# Altium PCB PCIe_to_M2E.PcbDoc (part 1 of 6) (continued)
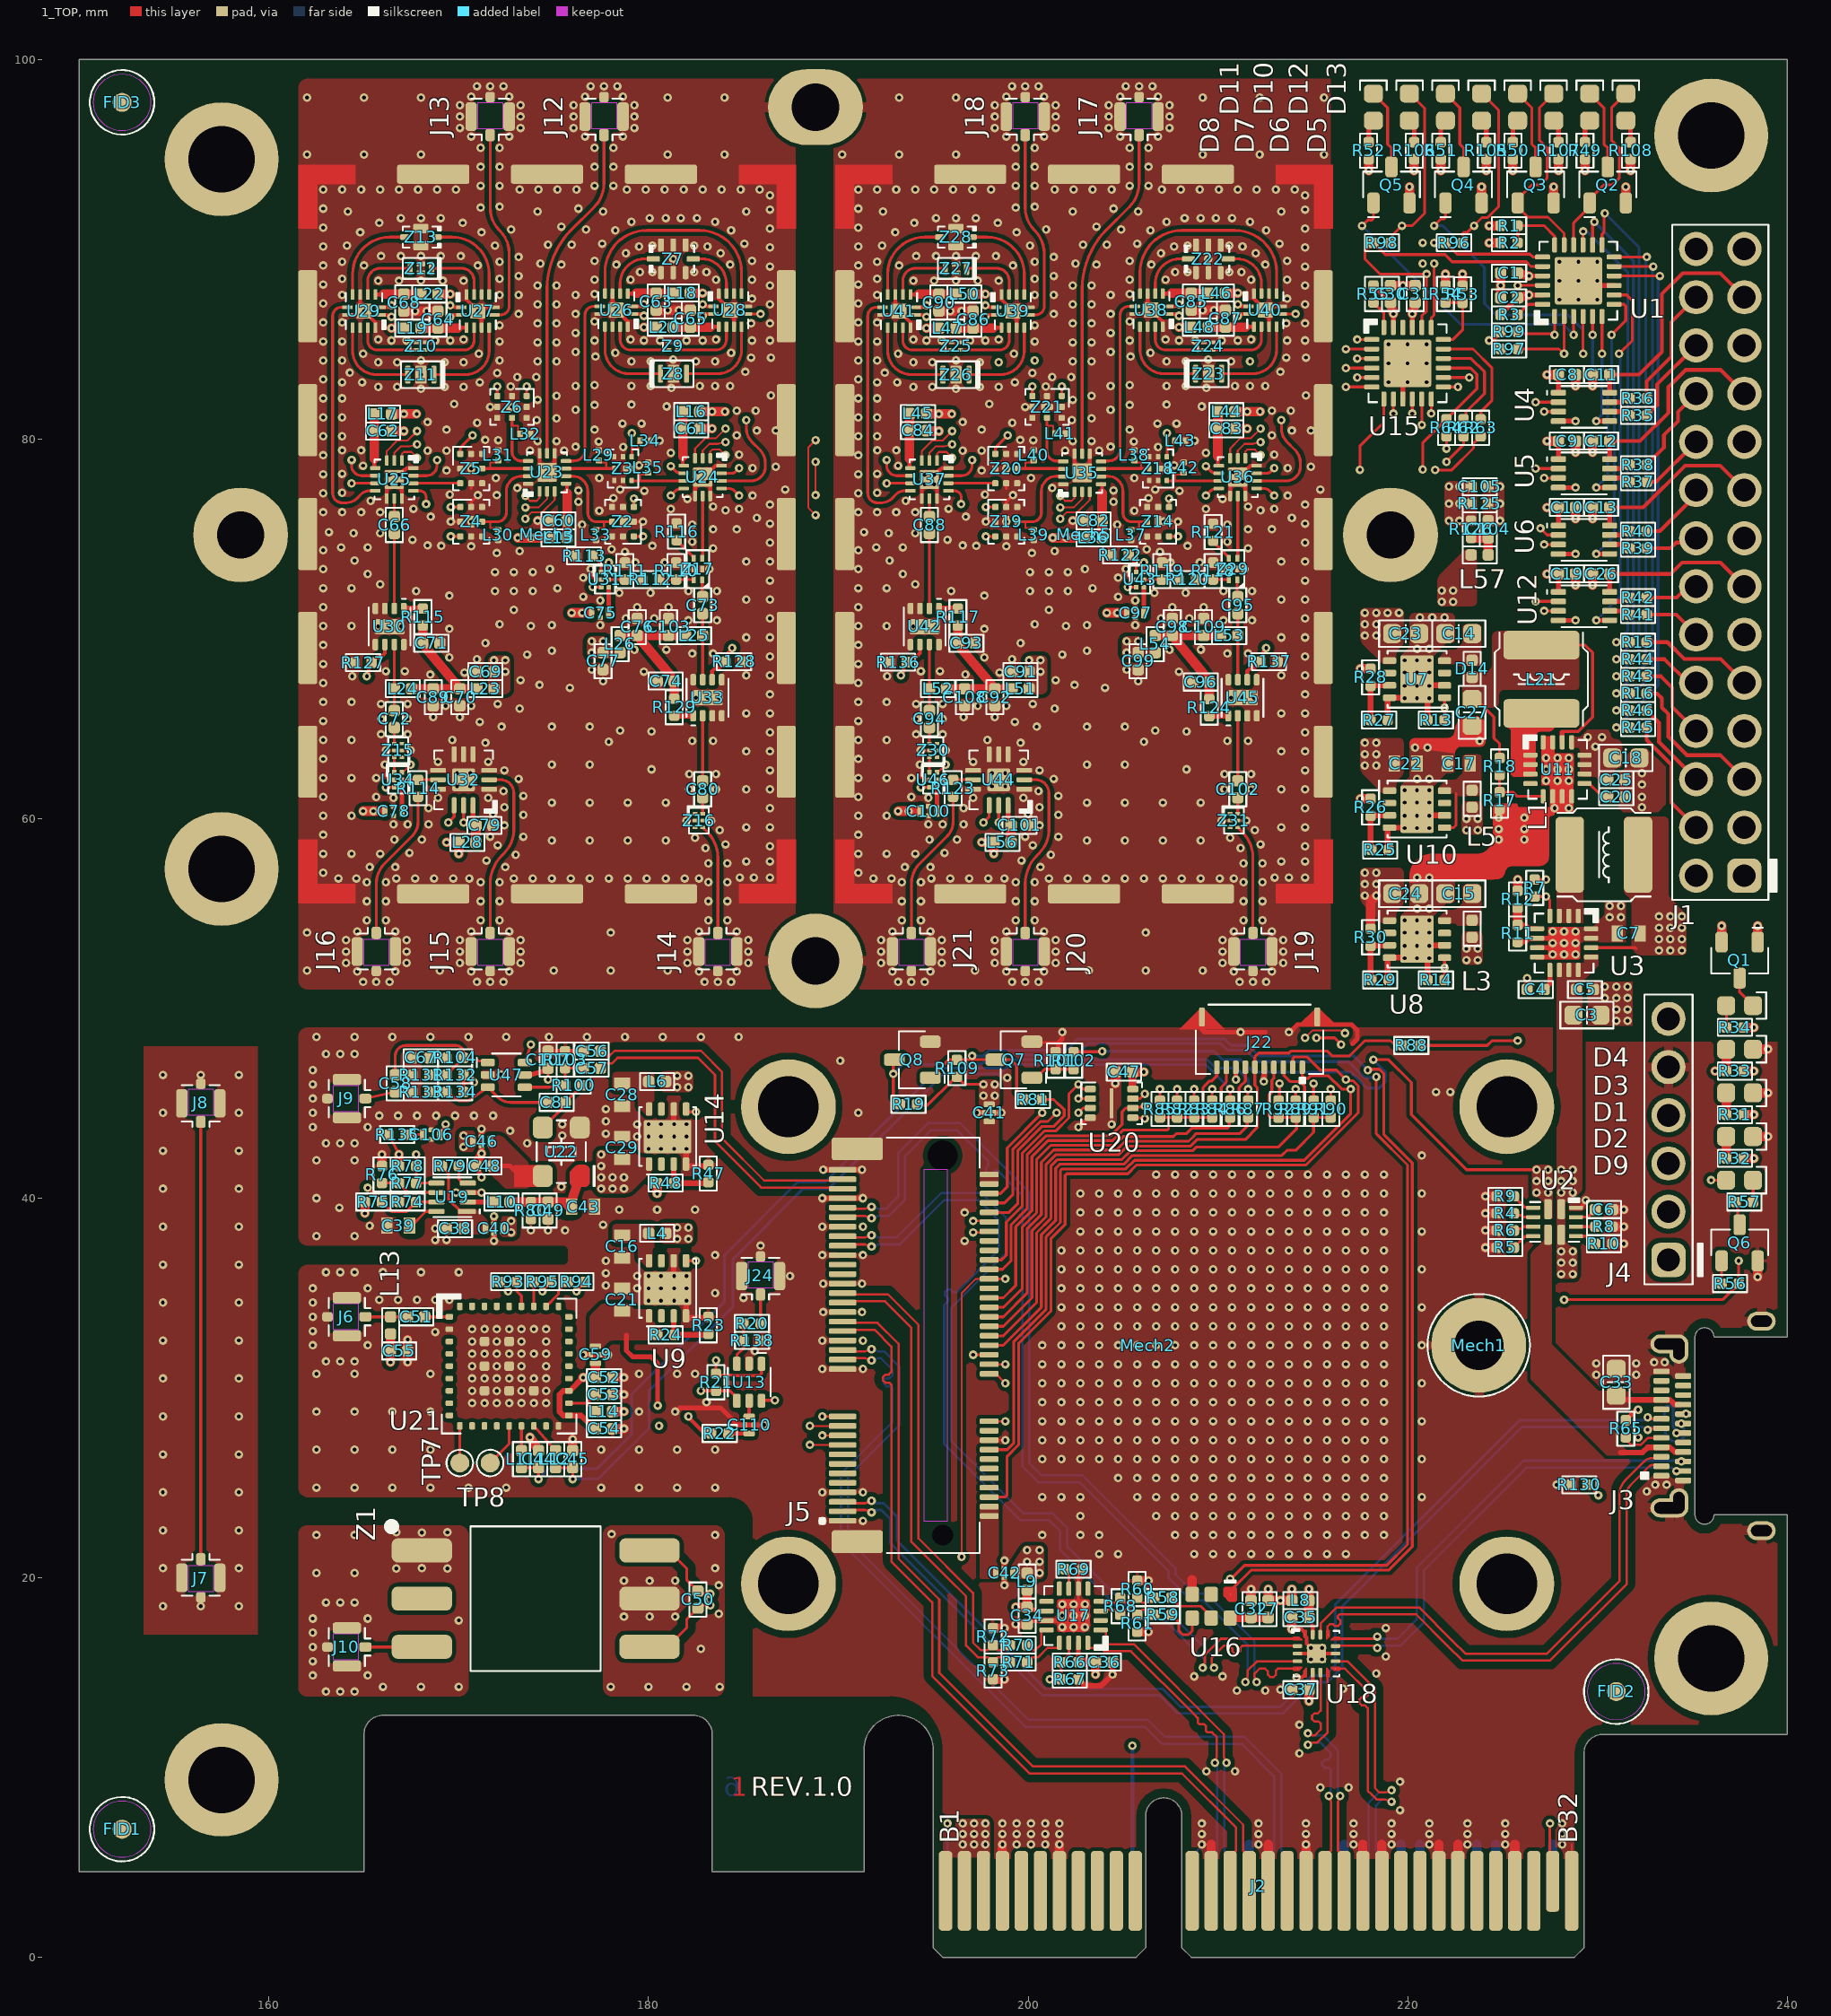
[diagram p0: 1_TOP view]
## Components (designator, comment, footprint, x,y, rotation, side; value= is the part's Value field where it differs from the comment) (continued)
C64 "GRM155R71E104KE14D" CAPC100X50X55L25N 168.9,86.3 r90 top value=0.1u
C65 "GRM155R71E104KE14D" CAPC100X50X55L25N 182.2,86.35 r90 top value=0.1u
C66 "Cap-0402-NP0-50V-100p-20%" CAPC100X50X55L25N 166.6,75.475 r270 top value=100p
C67 "Cap-0402-NP0-50V-1000p-20%" CAPC100X50X55L25N 168,47.4 r180 top value=1000p
C68 "GRM155R71E104KE14D" CAPC100X50X55L25N 167.1,87.2 r270 top value=0.1u
C69 "GRM155R71E104KE14D" CAPC100X50X55L25N 171.4,67.75 r180 top value=0.1u
C70 "GRM155R71E104KE14D" CAPC100X50X55L25N 170.05,66.4 r270 top value=0.1u
C71 "Cap-0402-NP0-50V-100p-20%" CAPC100X50X55L25N 168.55,69.25 r180 top value=100p
C72 "Cap-0402-NP0-50V-100p-20%" CAPC100X50X55L25N 166.6,65.25 r270 top value=100p
C73 "Cap-0402-NP0-50V-100p-20%" CAPC100X50X55L25N 182.85,71.25 r270 top value=100p
C74 "Cap-0402-NP0-50V-100p-20%" CAPC100X50X55L25N 180.9,67.25 r0 top value=100p
C75 "NFM15PC146R0G3D" CAPCEMI100X50X50L20N 177.45,70.85 r0 top value=14u/4V
C76 "GRM155R71E104KE14D" CAPC100X50X55L25N 179.4,70.1 r90 top value=0.1u
C77 "GRM155R71E104KE14D" CAPC100X50X55L25N 177.6,68.3 r270 top value=0.1u
C78 "NFM15PC146R0G3D" CAPCEMI100X50X50L20N 166.55,60.4 r0 top value=14u/4V
C79 "GRM155R71E104KE14D" CAPC100X50X55L25N 171.35,59.65 r0 top value=0.1u
C80 "Cap-0402-NP0-50V-100p-20%" CAPC100X50X55L25N 182.85,61.55 r270 top value=100p
C81 "Cap-0402-NP0-50V-1000p-20%" CAPC100X50X55L25N 175.15,45.05 r0 top value=1000p
C82 "GRM155R71E104KE14D" CAPC100X50X55L25N 203.45,75.7 r180 top value=0.1u
C83 "GRM155R71E104KE14D" CAPC100X50X55L25N 210.45,80.55 r0 top value=0.1u
C84 "GRM155R71E104KE14D" CAPC100X50X55L25N 194.2,80.45 r0 top value=0.1u
C85 "GRM155R71E104KE14D" CAPC100X50X55L25N 208.6,87.25 r270 top value=0.1u
C86 "GRM155R71E104KE14D" CAPC100X50X55L25N 197.1,86.3 r90 top value=0.1u
C87 "GRM155R71E104KE14D" CAPC100X50X55L25N 210.4,86.35 r90 top value=0.1u
C88 "Cap-0402-NP0-50V-100p-20%" CAPC100X50X55L25N 194.8,75.475 r270 top value=100p
C89 "Cap-0402-NP0-50V-100p-20%" CAPC100X50X55L25N 168.65,66.4 r90 top value=100p
C90 "GRM155R71E104KE14D" CAPC100X50X55L25N 195.3,87.2 r270 top value=0.1u
C91 "GRM155R71E104KE14D" CAPC100X50X55L25N 199.6,67.75 r180 top value=0.1u
C92 "GRM155R71E104KE14D" CAPC100X50X55L25N 198.25,66.4 r270 top value=0.1u
C93 "Cap-0402-NP0-50V-100p-20%" CAPC100X50X55L25N 196.75,69.25 r180 top value=100p
C94 "Cap-0402-NP0-50V-100p-20%" CAPC100X50X55L25N 194.8,65.25 r270 top value=100p
C95 "Cap-0402-NP0-50V-100p-20%" CAPC100X50X55L25N 211.05,71.25 r270 top value=100p
C96 "Cap-0402-NP0-50V-100p-20%" CAPC100X50X55L25N 209.1,67.2 r0 top value=100p
C97 "NFM15PC146R0G3D" CAPCEMI100X50X50L20N 205.65,70.85 r0 top value=14u/4V
C98 "GRM155R71E104KE14D" CAPC100X50X55L25N 207.6,70.1 r90 top value=0.1u
C99 "GRM155R71E104KE14D" CAPC100X50X55L25N 205.8,68.3 r270 top value=0.1u
C100 "NFM15PC146R0G3D" CAPCEMI100X50X50L20N 194.75,60.4 r0 top value=14u/4V
C101 "GRM155R71E104KE14D" CAPC100X50X55L25N 199.55,59.65 r0 top value=0.1u
C102 "Cap-0402-NP0-50V-100p-20%" CAPC100X50X55L25N 211.05,61.55 r270 top value=100p
C103 "Cap-0402-NP0-50V-100p-20%" CAPC100X50X55L25N 181.05,70.1 r270 top value=100p
C104 "GRM155R71E104KE14D" CAPC100X50X55L25N 224.25,75.25 r90 top value=0.1u
C105 "GRM155R71E104KE14D" CAPC100X50X55L25N 223.8,77.5 r0 top value=0.1u
C106 "NFM15PC146R0G3D" CAPCEMI100X50X50L20N 168.55,43.35 r180 top value=14u/4V
C107 "Cap-0402-NP0-50V-1000p-20%" CAPC100X50X55L25N 174.7,47.3 r270 top value=1000p
C108 "Cap-0402-NP0-50V-100p-20%" CAPC100X50X55L25N 196.65,66.4 r90 top value=100p
C109 "Cap-0402-NP0-50V-100p-20%" CAPC100X50X55L25N 209.25,70.1 r270 top value=100p
C110 "NFM15PC146R0G3D" CAPCEMI100X50X50L20N 185.3,28.05 r90 top value=14u/4V
D1 "LTST-C190KGKT" LEDC160X80X80L40N-Green 237.5,45.55 r180 top value=Green
D2 "LTST-C190KGKT" LEDC160X80X80L40N-Green 237.5,43.25 r180 top value=Green
D3 "LTST-C190KGKT" LEDC160X80X80L40N-Green 237.5,47.85 r180 top value=Green
D4 "LTST-C190KGKT" LEDC160X80X80L40N-Green 237.5,50.15 r180 top value=Green
D5 "LTST-C190KGKT" LEDC160X80X80L40N-Green 229.6,97.5 r270 top value=Green
D6 "LTST-C190KGKT" LEDC160X80X80L40N-Green 225.8,97.5 r270 top value=Green
D7 "LTST-C190KGKT" LEDC160X80X80L40N-Green 222,97.5 r270 top value=Green
D8 "LTST-C190KGKT" LEDC160X80X80L40N-Green 218.2,97.5 r270 top value=Green
D9 "LTST-C190KGKT" LEDC160X80X80L40N-Green 237.5,40.95 r180 top value=Green
D10 "LTST-C190KGKT" LEDC160X80X80L40N-Green 223.9,97.5 r270 top value=Green
D11 "LTST-C190KGKT" LEDC160X80X80L40N-Green 220.1,97.5 r270 top value=Green
D12 "LTST-C190KGKT" LEDC160X80X80L40N-Green 227.7,97.5 r270 top value=Green
D13 "LTST-C190KGKT" LEDC160X80X80L40N-Green 231.5,97.5 r270 top value=Green
D14 "CUS15S30,H3F" INDC100X60X60L30N 223.4,67.9 r90 top value=CUS15S30
FID1 "Fiducial" Fiducial_3D 152.25,6.75 r90 top locked
FID2 "Fiducial" Fiducial_3D 231,14 r90 top locked
FID3 "Fiducial" Fiducial_3D 152.25,97.75 r90 top locked
J1 "PLD-28" PLD-28 237.75,57 r90 top
J2 "Edge connector PCIe x4 Card" EDGE_CONN_PCIe_x4 150,0 r0 top locked value="PCI Express x4 Card Edge connector"
J3 "USB4525-03-A" GCT_USB4525-03-A 233.8,28 r90 top locked
J4 "PLS-06" PLS-06 233.75,36.75 r90 top
J5 "SM3ZS067U215AER1500" JAE_SM3ZS067U215AER1500 195.5,32.25 r90 top locked
J6 "CONMHF4-SMD-G-T" LINX_CONMHF4-SMD-G-T 164.1,33.75 r90 top value=MHF4
J7 "CONMHF4-SMD-G-T" LINX_CONMHF4-SMD-G-T 156.4,20 r180 top value=MHF4
J8 "CONMHF4-SMD-G-T" LINX_CONMHF4-SMD-G-T 156.4,45 r0 top value=MHF4
J9 "CONMHF4-SMD-G-T" LINX_CONMHF4-SMD-G-T 164.1,45.25 r90 top value=MHF4
J10 "CONMHF4-SMD-G-T" LINX_CONMHF4-SMD-G-T 164.1,16.35 r90 top value=MHF4
J12 "CONMHF4-SMD-G-T" LINX_CONMHF4-SMD-G-T 177.65,97 r0 top value=MHF4
J13 "CONMHF4-SMD-G-T" LINX_CONMHF4-SMD-G-T 171.65,97 r0 top value=MHF4
J14 "CONMHF4-SMD-G-T" LINX_CONMHF4-SMD-G-T 183.65,53 r180 top value=MHF4
J15 "CONMHF4-SMD-G-T" LINX_CONMHF4-SMD-G-T 171.65,53 r180 top value=MHF4
J16 "CONMHF4-SMD-G-T" LINX_CONMHF4-SMD-G-T 165.65,53 r180 top value=MHF4
J17 "CONMHF4-SMD-G-T" LINX_CONMHF4-SMD-G-T 205.85,97 r0 top value=MHF4
J18 "CONMHF4-SMD-G-T" LINX_CONMHF4-SMD-G-T 199.85,97 r0 top value=MHF4
J19 "CONMHF4-SMD-G-T" LINX_CONMHF4-SMD-G-T 211.85,53 r180 top value=MHF4
J20 "CONMHF4-SMD-G-T" LINX_CONMHF4-SMD-G-T 199.85,53 r180 top value=MHF4
J21 "CONMHF4-SMD-G-T" LINX_CONMHF4-SMD-G-T 193.85,53 r180 top value=MHF4
J22 "5034801000" MOLEX_5034801000 212.2,50.2 r180 top
J24 "CONMHF4-SMD-G-T" LINX_CONMHF4-SMD-G-T 185.9,35.9 r0 top value=MHF4
L1 "NRS5020T2R2NMGJ" IND_TAIYO_NRS5020 230.35,58.1 r0 top value=2.2u
L3 "BLM15HG601SN1D" INDC100X60X60L30N 223.4,54.2 r90 top value=600
L4 "BLM15HG601SN1D" INDC100X60X60L30N 180.45,38.15 r180 top value=600
L5 "BLM15HG601SN1D" INDC100X60X60L30N 223.4,61.05 r90 top value=600
L6 "BLM15HG601SN1D" INDC100X60X60L30N 180.45,46.15 r180 top value=600
L7 "BLM15HG601SN1D" INDC100X60X60L30N 212.65,18.35 r270 top value=600
L8 "BLM15HG601SN1D" INDC100X60X60L30N 214.35,18.8 r180 top value=600
L9 "BLM15HG601SN1D" INDC100X60X60L30N 199.95,19.8 r90 top value=600
L10 "BLM15HD182SN1D" INDC100X60X60L30N 172.25,39.8 r0 top value=1800
L11 "LQW15AN47NJ8ZD" INDC100X60X60L30N 173.3,26.25 r90 top value=47n
L12 "LQW15AN47NJ8ZD" INDC100X60X60L30N 175.1,26.25 r90 top value=47n
L13 "LQW15AN47NJ8ZD" INDC100X60X60L30N 166.4,33.3 r90 top value=47n
L14 "BLM15HD182SN1D" INDC100X60X60L30N 177.65,28.75 r0 top value=1800
L15 "BLM15HD182SN1D" INDC100X60X60L30N 175.25,74.8 r180 top value=1800
L16 "BLM15HD182SN1D" INDC100X60X60L30N 182.25,81.45 r0 top value=1800
L17 "BLM15HD182SN1D" INDC100X60X60L30N 166,81.325 r0 top value=1800
L18 "BLM15HD182SN1D" INDC100X60X60L30N 181.75,87.7 r180 top value=1800
L19 "BLM15HD182SN1D" INDC100X60X60L30N 167.55,85.85 r0 top value=1800
L20 "BLM15HD182SN1D" INDC100X60X60L30N 180.85,85.9 r180 top value=1800
L21 "NRS5020T2R2NMGJ" IND_TAIYO_NRS5020 227.05,67.35 r90 top value=2.2u
L22 "BLM15HD182SN1D" INDC100X60X60L30N 168.45,87.65 r0 top value=1800
L23 "BLM15HG601SN1D" INDC100X60X60L30N 171.4,66.85 r0 top value=600
L24 "MLK1005S18NJT000" CAPC100X50X55L25N 167.05,66.85 r180 top value=18nH
L25 "MLK1005S18NJT000" CAPC100X50X55L25N 182.4,69.65 r0 top value=18nH
L26 "BLM15HG601SN1D" INDC100X60X60L30N 178.5,69.2 r270 top value=600
L28 "BLM15HD182SN1D" INDC100X60X60L30N 170.45,58.75 r0 top value=1800
L29 "MLG0603P3N4BT000" INDC60X30X35L15N 177.375,79.15 r90 top value=3.4nH
L30 "MLG0603P4N7HT000" INDC60X30X35L15N 172.075,74.95 r270 top value=4.7nH
L31 "MLG0603P7N5HTD25" INDC60X30X35L15N 172.075,79.15 r90 top value=7.5n
L32 "MLG0603P8N2HTD25" INDC60X30X35L15N 173.5,80.275 r0 top value=8.2n
L33 "MLG0603P2N7CTZ10" INDC60X30X35L15N 177.225,74.95 r270 top value=2.7n
L34 "MLG0603P10NHTZ10" INDC60X30X35L15N 179.825,79.925 r0 top value=10n
L35 "MLG0603P8N2HT000" INDC60X30X35L15N 179.975,78.5 r90 top value=8.2nH
L36 "BLM15HD182SN1D" INDC100X60X60L30N 203.45,74.8 r180 top value=1800
L37 "MLG0603P2N7CT000" INDC60X30X35L15N 205.425,74.95 r270 top value=2.7nH
L38 "MLG0603P3N4BT000" INDC60X30X35L15N 205.6,79.15 r90 top value=3.4nH
L39 "MLG0603P4N7HT000" INDC60X30X35L15N 200.3,74.95 r270 top value=4.7nH
L40 "MLG0603P7N5HT000" INDC60X30X35L15N 200.3,79.15 r90 top value=7.5nH
L41 "MLG0603P8N2HT000" INDC60X30X35L15N 201.7,80.3 r0 top value=8.2nH
L42 "MLG0603P8N2HT000" INDC60X30X35L15N 208.2,78.5 r90 top value=8.2nH
L43 "MLG0603P10NHT000" INDC60X30X35L15N 208.025,79.925 r0 top value=10nH
L44 "BLM15HD182SN1D" INDC100X60X60L30N 210.45,81.45 r0 top value=1800
L45 "BLM15HD182SN1D" INDC100X60X60L30N 194.2,81.35 r0 top value=1800
L46 "BLM15HD182SN1D" INDC100X60X60L30N 209.95,87.7 r180 top value=1800
L47 "BLM15HD182SN1D" INDC100X60X60L30N 195.75,85.85 r0 top value=1800
L48 "BLM15HD182SN1D" INDC100X60X60L30N 209.05,85.9 r180 top value=1800
L50 "BLM15HD182SN1D" INDC100X60X60L30N 196.65,87.65 r0 top value=1800
L51 "BLM15HG601SN1D" INDC100X60X60L30N 199.6,66.85 r0 top value=600
L52 "MLK1005S18NJT000" CAPC100X50X55L25N 195.25,66.85 r180 top value=18nH
L53 "MLK1005S18NJT000" CAPC100X50X55L25N 210.6,69.65 r0 top value=18nH
L54 "BLM15HG601SN1D" INDC100X60X60L30N 206.7,69.2 r270 top value=600
L56 "BLM15HD182SN1D" INDC100X60X60L30N 198.65,58.75 r0 top value=1800
L57 "BLM15HG601SN1D" INDC100X60X60L30N 223.8,73.9 r0 top value=600
Mech1 "SM3ZS067U215-NUT1-R2500" JAE_SM3ZS067U215-NUT1 223.75,32.25 r270 top
Mech2 "960-31-33-F-AB-0" WAKEFIELD_960-31-33-F-AB-0 206.3,32.25 r270 top locked
Mech3 "BMI-S-205-F" LAIRD_BMI-S-205 174.65,75 r90 top locked
Mech4 "960-31-33-F-AB-0" WAKEFIELD_960-31-33-F-AB-0 206.3,32.25 r270 bottom
Mech5 "BMI-S-205-F" LAIRD_BMI-S-205 202.95,75 r90 top locked
Q1 "FDV303N" SOT23-3P95_245X110L45X44N 237.5,52.55 r270 top
Q2 "FDV303N" SOT23-3P95_245X110L45X44N 230.55,93.4 r90 top
Q3 "FDV303N" SOT23-3P95_245X110L45X44N 226.75,93.4 r90 top
Q4 "FDV303N" SOT23-3P95_245X110L45X44N 222.95,93.4 r90 top
Q5 "FDV303N" SOT23-3P95_245X110L45X44N 219.15,93.4 r90 top
Q6 "FDV303N" SOT23-3P95_245X110L45X44N 237.5,37.65 r90 top
Q7 "FDV303N" SOT23-3P95_245X110L45X44N 199.25,47.3 r180 top
Q8 "FDV303N" SOT23-3P95_245X110L45X44N 193.9,47.3 r180 top
R1 "Res-0402-DNP" RESC100X50X40L20N 225.35,91.25 r0 top value=DNP
R2 "RC0402FR-0733RL" RESC100X50X40L20N 225.35,90.35 r0 top value=33
R3 "RC0402FR-076K8L" RESC100X50X40L20N 225.35,86.55 r0 top value=6.8K
R4 "RC0402FR-076K8L" RESC100X50X40L20N 225.15,39.2 r0 top value=6.8K
R5 "RC0402FR-076K8L" RESC100X50X40L20N 225.15,37.4 r0 top value=6.8K
R6 "RC0402FR-076K8L" RESC100X50X40L20N 225.15,38.3 r0 top value=6.8K
R7 "RC0402FR-0756KL" RESC100X50X40L20N 226.7,56.35 r270 top value=56K
R8 "RC0402FR-0756KL" RESC100X50X40L20N 230.35,38.5 r180 top value=56K
R9 "RC0402FR-076K8L" RESC100X50X40L20N 225.15,40.1 r180 top value=6.8K
R10 "RC0402FR-076K8L" RESC100X50X40L20N 230.35,37.6 r0 top value=6.8K
R11 "RC0402FR-071K5L" RESC100X50X40L20N 225.8,53.95 r90 top value=1.5K
R12 "RC0402FR-075K1L" RESC100X50X40L20N 225.8,55.75 r90 top value=5.1K
R13 "RC0402FR-0710KL" RESC100X50X40L20N 221.5,65.2 r0 top value=10K
R14 "RC0402FR-0710KL" RESC100X50X40L20N 221.5,51.5 r0 top value=10K
R15 "RC0402FR-0733RL" RESC100X50X40L20N 232.15,69.3 r0 top value=33
R16 "RC0402FR-0733RL" RESC100X50X40L20N 232.15,66.6 r0 top value=33
R17 "RC0402FR-071KL" RESC100X50X40L20N 224.85,60.95 r90 top value=1K
R18 "RC0402FR-076K8L" RESC100X50X40L20N 224.85,62.75 r90 top value=6.8K
R19 "RC0402FR-076K8L" RESC100X50X40L20N 193.7,44.95 r0 top value=6.8K
R20 "RC0402FR-0750RL" RESC100X50X40L20N 185.45,33.4 r0 top value=50
R21 "RC0402JR-070RL" RESC100X50X40L20N 183.55,30.3 r270 top value=0
R22 "RC0402FR-0750RL" RESC100X50X40L20N 183.75,27.6 r180 top value=50
R23 "RC0402FR-071K15L" RESC100X50X40L20N 183.15,33.3 r270 top value=1.15K
R24 "RC0402FR-073K16L" RESC100X50X40L20N 180.9,32.8 r180 top value=3.16K
R25 "RC0402FR-071K6L" RESC100X50X40L20N 218.55,58.35 r180 top value=1.6K
R26 "RC0402FR-072KL" RESC100X50X40L20N 218.05,60.6 r90 top value=2K
R27 "RC0402FR-071K24L" RESC100X50X40L20N 218.5,65.2 r180 top value=1.24K
R28 "RC0402FR-076K8L" RESC100X50X40L20N 218.05,67.45 r90 top value=6.8K
R29 "RC0402FR-071K6L" RESC100X50X40L20N 218.55,51.5 r180 top value=1.6K
R30 "RC0402FR-076K8L" RESC100X50X40L20N 218.05,53.75 r90 top value=6.8K
R31 "RC0402FR-071KL" RESC100X50X40L20N 237.25,44.4 r0 top value=1K
R32 "RC0402FR-071KL" RESC100X50X40L20N 237.25,42.1 r0 top value=1K
R33 "RC0402FR-071KL" RESC100X50X40L20N 237.25,46.7 r0 top value=1K
R34 "RC0402FR-071KL" RESC100X50X40L20N 237.25,49 r0 top value=1K
R35 "RC0402FR-0733RL" RESC100X50X40L20N 232.15,81.25 r180 top value=33
R36 "RC0402FR-0733RL" RESC100X50X40L20N 232.15,82.15 r180 top value=33
R37 "RC0402FR-0733RL" RESC100X50X40L20N 232.15,77.75 r180 top value=33
R38 "RC0402FR-0733RL" RESC100X50X40L20N 232.15,78.65 r180 top value=33
R39 "RC0402FR-0733RL" RESC100X50X40L20N 232.15,74.25 r180 top value=33
R40 "RC0402FR-0733RL" RESC100X50X40L20N 232.15,75.15 r180 top value=33
R41 "RC0402FR-0733RL" RESC100X50X40L20N 232.15,70.75 r180 top value=33
R42 "RC0402FR-0733RL" RESC100X50X40L20N 232.15,71.65 r180 top value=33
R43 "RC0402FR-0733RL" RESC100X50X40L20N 232.15,67.5 r180 top value=33
R44 "RC0402FR-0733RL" RESC100X50X40L20N 232.15,68.4 r180 top value=33
R45 "RC0402FR-0733RL" RESC100X50X40L20N 232.15,64.8 r180 top value=33
R46 "RC0402FR-0733RL" RESC100X50X40L20N 232.15,65.7 r180 top value=33
R47 "RC0402FR-071K15L" RESC100X50X40L20N 183.15,41.3 r270 top value=1.15K
R48 "RC0402FR-073K16L" RESC100X50X40L20N 180.9,40.8 r180 top value=3.16K
R49 "RC0402FR-071KL" RESC100X50X40L20N 229.35,95.2 r270 top value=1K
R50 "RC0402FR-071KL" RESC100X50X40L20N 225.55,95.2 r270 top value=1K
R51 "RC0402FR-071KL" RESC100X50X40L20N 221.75,95.2 r270 top value=1K
R52 "RC0402FR-071KL" RESC100X50X40L20N 217.95,95.2 r270 top value=1K
R53 "RC0402FR-0733RL" RESC100X50X40L20N 222.897,87.633 r270 top value=33
R54 "RC0402JR-070RL" RESC100X50X40L20N 222,87.65 r270 top value=0
R55 "RC0402FR-076K8L" RESC100X50X40L20N 218.2,87.65 r270 top value=6.8K
R56 "RC0402FR-07180KL" RESC100X50X40L20N 237,35.5 r180 top value=180K
R57 "RC0402FR-071KL" RESC100X50X40L20N 237.75,39.8 r180 top value=1K
R58 "RC0402FR-0733RL" RESC100X50X40L20N 207.1,18.95 r180 top value=33
R59 "RC0402FR-0733RL" RESC100X50X40L20N 207.1,18.05 r180 top value=33
R60 "RC0402FR-0750RL" RESC100X50X40L20N 205.75,19.4 r270 top value=50
R61 "RC0402FR-0750RL" RESC100X50X40L20N 205.75,17.6 r270 top value=50
R62 "RC0402JR-070RL" RESC100X50X40L20N 222.95,80.6 r270 top value=0
R63 "RC0402JR-070RL" RESC100X50X40L20N 223.85,80.6 r270 top value=0
R64 "RC0402JR-070RL" RESC100X50X40L20N 222.05,80.6 r270 top value=0
R65 "RC0402FR-075K1L" RESC100X50X40L20N 231.5,27.85 r90 top value=5.1K
R66 "RC0402FR-0710KL" RESC100X50X40L20N 202.2,15.55 r0 top value=10K
R67 "Res-0402-DNP" RESC100X50X40L20N 202.2,14.65 r180 top value=DNP
R68 "Res-0402-DNP" RESC100X50X40L20N 204.85,18.5 r270 top value=DNP
R69 "RC0402FR-07475RL" RESC100X50X40L20N 202.4,20.45 r180 top value=475
R70 "RC0402FR-0733RL" RESC100X50X40L20N 199.5,16.45 r180 top value=33
R71 "RC0402FR-0733RL" RESC100X50X40L20N 199.5,15.55 r180 top value=33
R72 "RC0402FR-0750RL" RESC100X50X40L20N 198.15,16.9 r270 top value=50
R73 "RC0402FR-0750RL" RESC100X50X40L20N 198.15,15.1 r270 top value=50
R74 "Res-0402-DNP" RESC100X50X40L20N 167.3,39.8 r0 top value=DNP
R75 "RC0402FR-073K32L" RESC100X50X40L20N 165.5,39.8 r180 top value=3.32K
R76 "RC0402FR-071KL" RESC100X50X40L20N 165.95,41.25 r270 top value=1K
R77 "Res-0402-DNP" RESC100X50X40L20N 167.3,40.8 r0 top value=DNP
R78 "RC0402FR-073K32L" RESC100X50X40L20N 167.3,41.7 r180 top value=3.32K
R79 "RC0402FR-071KL" RESC100X50X40L20N 169.55,41.7 r180 top value=1K
R80 "RC0402FR-0756KL" RESC100X50X40L20N 173.8,39.35 r270 top value=56K
R81 "RC0402FR-0750RL" RESC100X50X40L20N 200.25,45.2 r180 top value=50
R82 "RC0402FR-0750RL" RESC100X50X40L20N 207.85,44.7 r90 top value=50
R83 "RC0402FR-0750RL" RESC100X50X40L20N 208.75,44.7 r90 top value=50
R84 "RC0402FR-0750RL" RESC100X50X40L20N 209.7,44.7 r90 top value=50
R85 "RC0402FR-0750RL" RESC100X50X40L20N 206.95,44.7 r90 top value=50
R86 "RC0402FR-0750RL" RESC100X50X40L20N 210.65,44.7 r90 top value=50
R87 "RC0402FR-0750RL" RESC100X50X40L20N 211.6,44.7 r90 top value=50
R88 "RC0402FR-0750RL" RESC100X50X40L20N 220.2,48.05 r0 top value=50
R89 "RC0402FR-0750RL" RESC100X50X40L20N 214.1,44.7 r90 top value=50
R90 "RC0402FR-0750RL" RESC100X50X40L20N 215.95,44.7 r90 top value=50
R91 "RC0402FR-0750RL" RESC100X50X40L20N 215.05,44.7 r90 top value=50
R92 "RC0402FR-0750RL" RESC100X50X40L20N 213.2,44.7 r90 top value=50
R93 "RC0402FR-0750RL" RESC100X50X40L20N 172.6,35.6 r0 top value=50
R94 "RC0402FR-0750RL" RESC100X50X40L20N 176.2,35.6 r180 top value=50
R95 "RC0402FR-0750RL" RESC100X50X40L20N 174.4,35.6 r180 top value=50
R96 "RC0402FR-0750RL" RESC100X50X40L20N 222.45,90.35 r180 top value=50
R97 "RC0402FR-076K8L" RESC100X50X40L20N 225.35,84.75 r0 top value=6.8K
R98 "RC0402FR-0750RL" RESC100X50X40L20N 218.65,90.35 r180 top value=50
R99 "RC0402FR-076K8L" RESC100X50X40L20N 225.35,85.65 r0 top value=6.8K
R100 "RC0402FR-0750RL" RESC100X50X40L20N 176.05,45.95 r180 top value=50
R101 "RC0402FR-0756KL" RESC100X50X40L20N 201.45,47.25 r270 top value=56K
R102 "RC0402FR-07180KL" RESC100X50X40L20N 202.4,47.25 r90 top value=180K
R103 "Res-0402-DNP" RESC100X50X40L20N 175.6,47.3 r270 top value=DNP
R104 "RC0402FR-0750RL" RESC100X50X40L20N 169.8,47.4 r0 top value=50
R105 "RC0402FR-071KL" RESC100X50X40L20N 224.15,95.2 r270 top value=1K
R106 "RC0402FR-071KL" RESC100X50X40L20N 220.35,95.2 r270 top value=1K
R107 "RC0402FR-071KL" RESC100X50X40L20N 227.95,95.2 r270 top value=1K
R108 "RC0402FR-071KL" RESC100X50X40L20N 231.75,95.2 r270 top value=1K
R109 "RC0402FR-076K8L" RESC100X50X40L20N 196.25,46.85 r270 top value=6.8K
R110 "RC0402FR-0768RL" RESC100X50X40L20N 181.45,73.05 r270 top value=68
R111 "RC0402FR-0768RL" RESC100X50X40L20N 178.75,73.05 r270 top value=68
R112 "RC0402FR-07150RL" RESC100X50X40L20N 180.1,72.6 r0 top value=150
R113 "RC0402FR-0750RL" RESC100X50X40L20N 176.6,73.85 r180 top value=50
R114 "Res-0402-DNP" RESC100X50X40L20N 167.85,61.6 r90 top value=DNP
R115 "RC0402FR-073K32L" RESC100X50X40L20N 168.1,70.625 r90 top value=3.32K
R116 "RC0402FR-0750RL" RESC100X50X40L20N 181.475,75.125 r90 top value=50
R117 "RC0402FR-073K32L" RESC100X50X40L20N 196.3,70.625 r90 top value=3.32K
R118 "RC0402FR-0768RL" RESC100X50X40L20N 209.75,73.05 r270 top value=68
R119 "RC0402FR-0768RL" RESC100X50X40L20N 207.05,73.05 r270 top value=68
R120 "RC0402FR-07150RL" RESC100X50X40L20N 208.4,72.6 r0 top value=150
R121 "RC0402FR-0750RL" RESC100X50X40L20N 209.75,75.1 r90 top value=50
R122 "RC0402FR-0750RL" RESC100X50X40L20N 204.85,73.9 r180 top value=50
R123 "Res-0402-DNP" RESC100X50X40L20N 196.05,61.6 r90 top value=DNP
R124 "RC0402FR-073K32L" RESC100X50X40L20N 209.55,65.85 r90 top value=3.32K
R125 "RC0402FR-07680RL" RESC100X50X40L20N 223.8,76.6 r180 top value=680
R126 "RC0402FR-07150RL" RESC100X50X40L20N 223.35,75.25 r270 top value=150
R127 "RC0402FR-0791KL" RESC100X50X40L20N 164.95,68.225 r0 top value=91K
R128 "RC0402FR-0791KL" RESC100X50X40L20N 184.5,68.275 r180 top value=91K
R129 "RC0402FR-073K32L" RESC100X50X40L20N 181.35,65.875 r270 top value=3.32K
R130 "RC0402FR-075K1L" RESC100X50X40L20N 229.05,24.9 r180 top value=5.1K
R131 "RC0402FR-0756KL" RESC100X50X40L20N 168,46.5 r180 top value=56K
R132 "RC0402FR-0756KL" RESC100X50X40L20N 169.8,46.5 r180 top value=56K
R133 "RC0402FR-0756KL" RESC100X50X40L20N 168,45.6 r180 top value=56K
R134 "RC0402FR-0756KL" RESC100X50X40L20N 169.8,45.6 r180 top value=56K
R135 "RC0402FR-0750RL" RESC100X50X40L20N 166.75,43.35 r0 top value=50
R136 "RC0402FR-0756KL" RESC100X50X40L20N 193.15,68.25 r0 top value=56K
R137 "RC0402FR-0756KL" RESC100X50X40L20N 212.7,68.275 r180 top value=56K
R138 "RC0402FR-0756KL" RESC100X50X40L20N 185.45,32.5 r0 top value=56K
TP7 "TP100" TP100 170.05,26.05 r270 top
TP8 "TP100" TP100 171.65,26.05 r270 top
U1 "TCA6416ARTWR" QFN25P50_400X400X80L40X24T250N 229,88.35 r90 top
U2 "TPS2121RUXR" QFN12P50_250X200X100L40X20N 227.75,38.75 r270 top
U3 "TPS62130RGTR" QFN17P50_300X300X100L40X24T170N 228.25,53.45 r270 top
U4 "SN74LXC2T45DCUR" SOP8P50_200X310X90L27X21N 229.3,81.7 r0 top
U5 "SN74LXC2T45DCUR" SOP8P50_200X310X90L27X21N 229.3,78.2 r0 top
U6 "SN74LXC2T45DCUR" SOP8P50_200X310X90L27X21N 229.3,74.7 r0 top
U7 "TLV76601QWDRBRQ1" SON9P65_300X300X100L40X31T250X175N 220.5,67.35 r0 top
U8 "TLV76601QWDRBRQ1" SON9P65_300X300X100L40X31T250X175N 220.5,53.65 r0 top
U9 "TLV76601QWDRBRQ1" SON9P65_300X300X100L40X31T250X175N 181,35.25 r90 top
U10 "TLV76601QWDRBRQ1" SON9P65_300X300X100L40X31T250X175N 220.5,60.5 r0 top
U11 "TPS62130RGTR" QFN17P50_300X300X100L40X24T170N 227.9,62.6 r0 top
U12 "SN74LXC2T45DCUR" SOP8P50_200X310X90L27X21N 229.3,71.2 r0 top
U13 "74LVC1G157GW" SOT363-2P95_200X125L45X40N 185.3,30.3 r270 top
U14 "TLV76601QWDRBRQ1" SON9P65_300X300X100L40X31T250X175N 181,43.25 r90 top
U15 "TCA6416ARTWR" QFN25P50_400X400X80L40X24T250N 220,84 r0 top
U16 "AK2ADDF1-100.000T" ABRACON_AK2A 209.65,18.5 r270 top value=100MHz
U17 "SY75572LMG-TR" QFN17P50_300X300X100L40X24T170N 202.4,18 r180 top
U18 "PI3DBS12212AXUAEX" QFN19P40_200X200X40L25X20T100N 215.2,16 r0 top
U19 "DAC80501MDQFT" SON8P50_200X200X80L50X25N 169.65,40.05 r180 top
U20 "APS6404L-SQN-ZR" PSON9P50_200X300X50L45X25T160X20N 204.4,45 r0 top
U21 "LG77LICMD" QUECTEL_LG77LC 172.65,31.15 r0 top value=LG77LC
U22 "TXEAADSANF-25.000000" OSCCC320X250X100L70X80N 175.4,42.45 r180 top value=25MHz
U23 "RFSW6062" QFN15P40_200X200X60L21X18T100N 174.65,78.25 r90 top
U24 "RFSW6062" QFN15P40_200X200X60L21X18T100N 182.85,78 r270 top
U25 "RFSW6062" QFN15P40_200X200X60L21X18T100N 166.6,77.875 r270 top
U26 "RFSW6042" QFN13P40_180X180X60L25X18T80N 178.3,86.8 r180 top
U27 "RFSW6042" QFN13P40_180X180X60L25X18T80N 171,86.75 r0 top
U28 "RFSW6042" QFN13P40_180X180X60L25X18T80N 184.3,86.8 r0 top
U29 "RFSW6042" QFN13P40_180X180X60L25X18T80N 165,86.75 r180 top
U30 "QPL9547TR7" SON9P50_200X200X100L30X25T160X80N 166.35,70.125 r270 top
U31 "BGS12P2L6E6327XTSA1" PSON6P40_110X70X32L20X20N 177.7,72.6 r0 top
U32 "QPC3223" QFN13P50_300X300X90L50X23T120N 170.25,62.05 r180 top
U33 "QPL9547TR7" SON9P50_200X200X100L30X25T160X80N 183.1,66.375 r90 top
U34 "BGS12P2L6E6327XTSA1" PSON6P40_110X70X32L20X20N 166.8,62.05 r0 top
U35 "RFSW6062TR7" QFN15P40_200X200X60L21X18T100N 202.85,78.225 r90 top
U36 "RFSW6062TR7" QFN15P40_200X200X60L21X18T100N 211.05,78 r270 top
U37 "RFSW6062TR7" QFN15P40_200X200X60L21X18T100N 194.8,77.875 r270 top
U38 "RFSW6042TR7" QFN13P40_180X180X60L25X18T80N 206.5,86.8 r180 top
U39 "RFSW6042TR7" QFN13P40_180X180X60L25X18T80N 199.2,86.75 r0 top
U40 "RFSW6042TR7" QFN13P40_180X180X60L25X18T80N 212.5,86.8 r0 top
U41 "RFSW6042TR7" QFN13P40_180X180X60L25X18T80N 193.2,86.75 r180 top
U42 "QPL9547TR7" SON9P50_200X200X100L30X25T160X80N 194.55,70.125 r270 top
U43 "BGS12P2L6E6327XTSA1" PSON6P40_110X70X32L20X20N 205.9,72.6 r0 top
U44 "QPC3223SR" QFN13P50_300X300X90L50X23T120N 198.45,62.05 r180 top
U45 "QPL9547TR7" SON9P50_200X200X100L30X25T160X80N 211.3,66.375 r90 top
U46 "BGS12P2L6E6327XTSA1" PSON6P40_110X70X32L20X20N 195,62.05 r0 top
U47 "74LVC1G157GW" SOT363-2P95_200X125L45X40N 172.5,46.5 r0 top
Z1 "T2-1T-KK81+" Mini-Circuits_KK81 174.05,18.9 r270 top
Z2 "D6HL2G655DL06" TAIYO_YUDEN_SMD-9 178.65,75.65 r90 top value=D6HL2G655DL06-Z
Z3 "D6DA1G842K2C4-Z" TAIYO_YUDEN_SMD-8 178.65,78.45 r90 top
Z4 "D6PF1G960M3B6" TAIYO_YUDEN_SMD-9 170.65,75.65 r270 top value=D6PF1G960M3B6-Z
Z5 "D5PF942M5M3G9-Z" TAIYO_YUDEN_SMD-9 170.65,78.45 r270 top
Z6 "D5PF876M5M3U9-Z" TAIYO_YUDEN_SMD-9 172.8,81.7 r180 top
Z7 "LFCG-400+" "Mini-Circuits_ GE0805C-2" 181.3,89.5 r0 top
Z8 "DEA202025LT-5052C1" TDK_DEA202025LT-5052C1 181.312,83.45 r0 top
Z9 "LFL0Q806MTR3E981" MURATA_LFL0Q806MTR3E981 181.3,84.9 r90 top
Z10 "LFL0Q806MTR3E981" MURATA_LFL0Q806MTR3E981 168,84.9 r90 top
Z11 "DEA202025LT-5052C1" TDK_DEA202025LT-5052C1 168,83.4 r180 top
Z12 "DEA163750BT-3059A1" TDK_DEA163750BT-3059A1 168,89 r180 top
Z13 "DEA162495BT-1289A1" TDK_DEA162495BT-1289A1 168,90.65 r180 top
Z14 "D6HL2G655DL06-Z" TAIYO_YUDEN_SMD-9 206.85,75.65 r90 top
Z15 "DEA103800LT-6328B3" TDK_DEA10-L 166.8,63.6 r180 top
Z16 "DEA103800LT-6328B3" TDK_DEA10-L 182.65,59.9 r0 top
Z17 "HHM22152A2" TDK_HHM22152A2 182.6,73.15 r180 top
Z18 "D6DA1G842K2C7-Z" TAIYO_YUDEN_SMD-8 206.85,78.45 r90 top
Z19 "D6PF1G960M3B6-Z" TAIYO_YUDEN_SMD-9 198.85,75.65 r270 top
Z20 "D5PF942M5M3G9-Z" TAIYO_YUDEN_SMD-9 198.85,78.45 r270 top
Z21 "D5PF876M5M3U9-Z" TAIYO_YUDEN_SMD-9 201,81.7 r180 top
Z22 "LFCG-400+" "Mini-Circuits_ GE0805C-2" 209.5,89.5 r0 top
Z23 "DEA202025LT-5052C1" TDK_DEA202025LT-5052C1 209.512,83.45 r0 top
Z24 "LFL0Q806MTR3E981" MURATA_LFL0Q806MTR3E981 209.5,84.9 r90 top
Z25 "LFL0Q806MTR3E981" MURATA_LFL0Q806MTR3E981 196.2,84.9 r90 top
Z26 "DEA202025LT-5052C1" TDK_DEA202025LT-5052C1 196.2,83.4 r180 top
Z27 "DEA163750BT-3059A1" TDK_DEA163750BT-3059A1 196.2,89 r180 top
Z28 "DEA162495BT-1289A1" TDK_DEA162495BT-1289A1 196.2,90.65 r180 top
Z29 "HHM22152A2" TDK_HHM22152A2 210.8,73.15 r180 top
Z30 "DEA103800LT-6328B3" TDK_DEA10-L 195,63.6 r180 top
Z31 "DEA103800LT-6328B3" TDK_DEA10-L 210.85,59.9 r0 top

## Footprints (in the part's own frame and the unit in brackets; to place one, negate y for a bottom-side part, rotate by r counter-clockwise, add the part's x,y. Pads: shape width x height; smd on the part's side, far side on the other; paste and mask are expansions set on the pad)
ABRACON_AK2A [mm]
  round 0.025 smd paste-0.025 mask+0.05: 1(-0.625,1)
  rrect35% 0.8x0.7 smd paste-0.025 mask+0.05: 2(-0.625,0) 3(-0.625,-1) 4(0.625,-1) 5(0.625,0) 6(0.625,1)
  1_TOP region: -0.903,0.65 -0.949,0.659 -0.989,0.686 -1.016,0.726 -1.025,0.773 -1.025,0.773 -1.025,1.228 -1.016,1.274 -0.989,1.314 -0.949,1.341 -0.903,1.35 -0.903,1.35 -0.347,1.35 -0.301,1.341 -0.261,1.314 -0.234,1.274 -0.225,1.228 -0.225,1.228 -0.225,1 -0.234,0.954 -0.26,0.915 -0.26,0.915 -0.49,0.685 -0.529,0.659 -0.575,0.65 -0.575,0.65
  silkscreen extent -1.35,0.7 -1.25,1.3, body extent -1,-1.25 1,1.25, height 1.01
CAPC100X50X55L25N [mm] "Capacitor, Chip 0402; 1.00 mm L X 0.50 mm W X 0.55 mm H body"
  rrect50% 0.6x0.6 smd paste-0.025 mask+0.05: 1(-0.45,0) 2(0.45,0)
  silkscreen extent -0.9,-0.45 0.9,0.45, body extent -0.5,-0.25 0.5,0.25, height 0.55
CAPC160X80X100L40N [mm] "Capacitor, Chip 0603; 1.60 mm L X 0.80 mm W X 1.00 mm H body"
  rrect50% 0.95x1 smd paste-0.025 mask+0.05: 1(-0.71,0) 2(0.71,0)
  silkscreen extent -1.4,-0.7 1.4,0.7, body extent -0.8,-0.4 0.8,0.4, height 1
CAPCEMI100X50X50L20N [mm] "Capacitor, Chip 0402; 1.00 mm L X 0.50 mm W X 0.50 mm H body"
  rrect50% 0.3x0.6 smd paste-0.025 mask+0.05: 1(-0.45,0) 3(0.45,0)
  rrect50% 0.3x0.25 smd paste-0.025 mask+0.05: 2(0,-0.25) 2(0,0.25)
  body extent -0.5,-0.25 0.5,0.25, height 0.5
EDGE_CONN_PCIe_x4 [mm]
  rrect50% 0.7x3.2 smd far side paste-99 mask-99: A1(45.65,4)
  rrect50% 0.7x4.2 smd far side paste-99 mask-99: A2(46.65,3.5) A3(47.65,3.5) A4(48.65,3.5) A5(49.65,3.5) A6(50.65,3.5) A7(51.65,3.5) A8(52.65,3.5) A9(53.65,3.5) A10(54.65,3.5) A11(55.65,3.5) A12(58.65,3.5) A13(59.65,3.5) A14(60.65,3.5) A15(61.65,3.5) A16(62.65,3.5) A17(63.65,3.5) A18(64.65,3.5) A19(65.65,3.5) A20(66.65,3.5) A21(67.65,3.5) A22(68.65,3.5) A23(69.65,3.5) A24(70.65,3.5) A25(71.65,3.5) A26(72.65,3.5) A27(73.65,3.5) A28(74.65,3.5) A29(75.65,3.5) A30(76.65,3.5) A31(77.65,3.5) A32(78.65,3.5)
  rrect50% 0.7x4.2 smd paste-99 mask-99: B1(45.65,3.5) B2(46.65,3.5) B3(47.65,3.5) B4(48.65,3.5) B5(49.65,3.5) B6(50.65,3.5) B7(51.65,3.5) B8(52.65,3.5) B9(53.65,3.5) B10(54.65,3.5) B11(55.65,3.5) B12(58.65,3.5) B13(59.65,3.5) B14(60.65,3.5) B15(61.65,3.5) B16(62.65,3.5) B17(63.65,3.5) B18(64.65,3.5) B19(65.65,3.5) B20(66.65,3.5) B21(67.65,3.5) B22(68.65,3.5) B23(69.65,3.5) B24(70.65,3.5) B25(71.65,3.5) B26(72.65,3.5) B27(73.65,3.5) B28(74.65,3.5) B29(75.65,3.5) B30(76.65,3.5) B32(78.65,3.5)
  rrect50% 0.7x3.2 smd paste-99 mask-99: B31(77.65,4)
Fiducial_3D [mm]
  round 1 smd paste-99 mask+1: FID(0,0)
  1_TOP keep-out region: 0,1.5 0.574,1.386 1.061,1.061 1.386,0.574 1.5,0 1.5,0 1.386,-0.574 1.061,-1.061 0.574,-1.386 0,-1.5 0,-1.5 -0.574,-1.386 -1.061,-1.061 -1.386,-0.574 -1.5,0 -1.5,0 -1.386,0.574 -1.061,1.061 -0.574,1.386 0,1.5
  silkscreen extent -1.7,-1.7 1.7,1.7
GCT_USB4525-03-A [mm]
  rrect50% 0.3x0.85 smd paste-0.025 mask+0.05: A1(-2.625,0.425) A2(-2.125,0.425) A3(-1.625,0.425) A4(-1.125,0.425) A5(-0.625,0.425) A6(-0.125,0.425) A7(0.375,0.425) A8(0.875,0.425) A9(1.375,0.425) A10(1.875,0.425) A11(2.375,0.425) A12(2.875,0.425) B1(2.625,-0.725) B2(2.125,-0.725) B3(1.625,-0.725) B4(1.125,-0.725) B5(0.625,-0.725) B6(0.125,-0.725) B7(-0.375,-0.725) B8(-0.875,-0.725) B9(-1.375,-0.725) B10(-1.875,-0.725) B11(-2.375,-0.725) B12(-2.875,-0.725)
  oval 1x1.5 hole 0.6 slot 1.1 at 90 deg paste-999 mask+0.05: SH(-5.52,-4.85) SH(5.52,-4.85)
  oval 1x2 hole 0.6 slot 1.6 at 90 deg paste-999 mask+0.05: SH(-4.32,0) SH(4.32,0)
  oval 1.54x1 hole 0.6 slot 1.14 at 0 deg paste-999 mask+0.05: SH(-4.05,-0.5) SH(4.05,-0.5)
  silkscreen extent -2.8,1.1 -2.45,1.5, body extent -5.67,-7.3 5.67,0.8, height 2.37
IND_TAIYO_NRS5020 [mm]
  rrect30% 1.5x4 smd paste-0.025 mask+0.05: 1(-1.8,0) 2(1.8,0)
  silkscreen extent -2.45,-2.45 2.45,2.45, body extent -2.45,-2.45 2.45,2.45, height 2
INDC60X30X35L15N [mm] "Inductor, Chip; 0.60 mm L X 0.30 mm W X 0.35 mm H body"
  rrect40% 0.3x0.35 smd paste-0.025 mask+0.05: 1(-0.275,0) 2(0.275,0)
  body extent -0.3,-0.15 0.3,0.15, height 0.35
INDC100X60X60L30N [mm] "Inductor, Chip 0402; 1.00 mm L X 0.60 mm W X 0.60 mm H body"
  rrect49% 0.6x0.6 smd paste-0.025 mask+0.05: 1(-0.45,0) 2(0.45,0)
  silkscreen extent -0.9,-0.45 0.9,0.45, body extent -0.5,-0.3 0.5,0.3, height 0.6
JAE_SM3ZS067U215-NUT1 [mm]
  round 5 / inner round 3.6 / far side round 3.6 hole 2.6 paste-99 mask+0.05: SH(0,0)
  silkscreen extent -2.7,-2.7 2.7,2.7, body extent -2.24,-2.25 2.24,2.25, height 1
JAE_SM3ZS067U215AER1500 [mm]
  rrect50% 0.3x1.45 smd paste-0.025 mask+0.05: 1(-9.25,5.275) 3(-8.75,5.275) 5(-8.25,5.275) 7(-7.75,5.275) 9(-7.25,5.275) 11(-6.75,5.275) 13(-6.25,5.275) 15(-5.75,5.275) 17(-5.25,5.275) 19(-4.75,5.275) 21(-4.25,5.275) 23(-3.75,5.275) 33(-1.25,5.275) 35(-0.75,5.275) 37(-0.25,5.275) 39(0.25,5.275) 41(0.75,5.275) 43(1.25,5.275) 45(1.75,5.275) 47(2.25,5.275) 49(2.75,5.275) 51(3.25,5.275) 53(3.75,5.275) 55(4.25,5.275) 57(4.75,5.275) 59(5.25,5.275) 61(5.75,5.275) 63(6.25,5.275) 65(6.75,5.275) 67(7.25,5.275) 69(7.75,5.275) 71(8.25,5.275) 73(8.75,5.275) 75(9.25,5.275)
  rrect50% 0.3x1 smd paste-0.025 mask+0.05: 2(-9,-2.45) 4(-8.5,-2.45) 6(-8,-2.45) 8(-7.5,-2.45) 10(-7,-2.45) 12(-6.5,-2.45) 14(-6,-2.45) 16(-5.5,-2.45) 18(-5,-2.45) 20(-4.5,-2.45) 22(-4,-2.45) 32(-1.5,-2.45) 34(-1,-2.45) 36(-0.5,-2.45) 38(0,-2.45) 40(0.5,-2.45) 42(1,-2.45) 44(1.5,-2.45) 46(2,-2.45) 48(2.5,-2.45) 50(3,-2.45) 52(3.5,-2.45) 54(4,-2.45) 56(4.5,-2.45) 58(5,-2.45) 60(5.5,-2.45) 62(6,-2.45) 64(6.5,-2.45) 66(7,-2.45) 68(7.5,-2.45) 70(8,-2.45) 72(8.5,-2.45) 74(9,-2.45)
  round 0 hole 1.1 unplated paste-1 mask+0.1: MH(-10,0)
  round 0 hole 1.6 unplated paste-1 mask+0.1: MH(10,0)
  rrect25% 1.2x2.7 smd paste-0.025 mask+0.05: SH(-10.35,4.5) SH(10.35,4.5)
  1_TOP keep-out region: -9.25,-0.25 9.25,-0.25 9.25,1 -9.25,1
  silkscreen extent -10.95,-1.95 10.95,6.5, body extent -10.95,-2.45 10.95,5.15, height 2.13
LAIRD_BMI-S-205 [mm]
  rrect20% 1x3.8 smd paste-0.025 mask+0.05: SH(-18.959,-6) SH(-18.959,0) SH(-18.959,6) SH(18.959,-6) SH(18.959,0) SH(18.959,6)
  round 0.025 smd paste-0.025 mask+0.05: SH(-17.775,-12.609) SH(-17.775,12.609) SH(17.775,-12.609) SH(17.775,12.609)
  rrect20% 3.8x1 smd paste-0.025 mask+0.05: SH(-12,12.609) SH(-12,-12.609) SH(-6,12.609) SH(-6,-12.609) SH(0,12.609) SH(0,-12.609) SH(6,12.609) SH(6,-12.609) SH(12,12.609) SH(12,-12.609)
  1_TOP region: -19.45,10.109 -19.45,12.109 -19.45,13.109 -16.1,13.109 -16.1,12.109 -18.45,12.109 -18.45,10.109
  1_TOP region: 19.45,10.109 19.45,12.109 19.45,13.109 16.1,13.109 16.1,12.109 18.45,12.109 18.45,10.109
  1_TOP region: -19.45,-10.109 -19.45,-12.109 -19.45,-13.109 -16.1,-13.109 -16.1,-12.109 -18.45,-12.109 -18.45,-10.109
  1_TOP region: 19.45,-10.109 19.45,-12.109 19.45,-13.109 16.1,-13.109 16.1,-12.109 18.45,-12.109 18.45,-10.109
  body extent -19.36,-13 19.35,13.01, height 27.01
LEDC160X80X80L40N-Green [mm] "Led, Chip 0603; 1.60 mm L X 0.80 mm W X 0.80 mm H body"
  rrect50% 0.95x1 smd paste-0.025 mask+0.05: A(0.71,0) C(-0.71,0)
  silkscreen extent -1.4,-0.7 -0.9,0.7, body extent -0.85,-0.45 0.85,0.45, height 0.9